# Altium PCB VOU_SOM_CV_V0.0.1.PcbDoc (part 1 of 5) (continued)
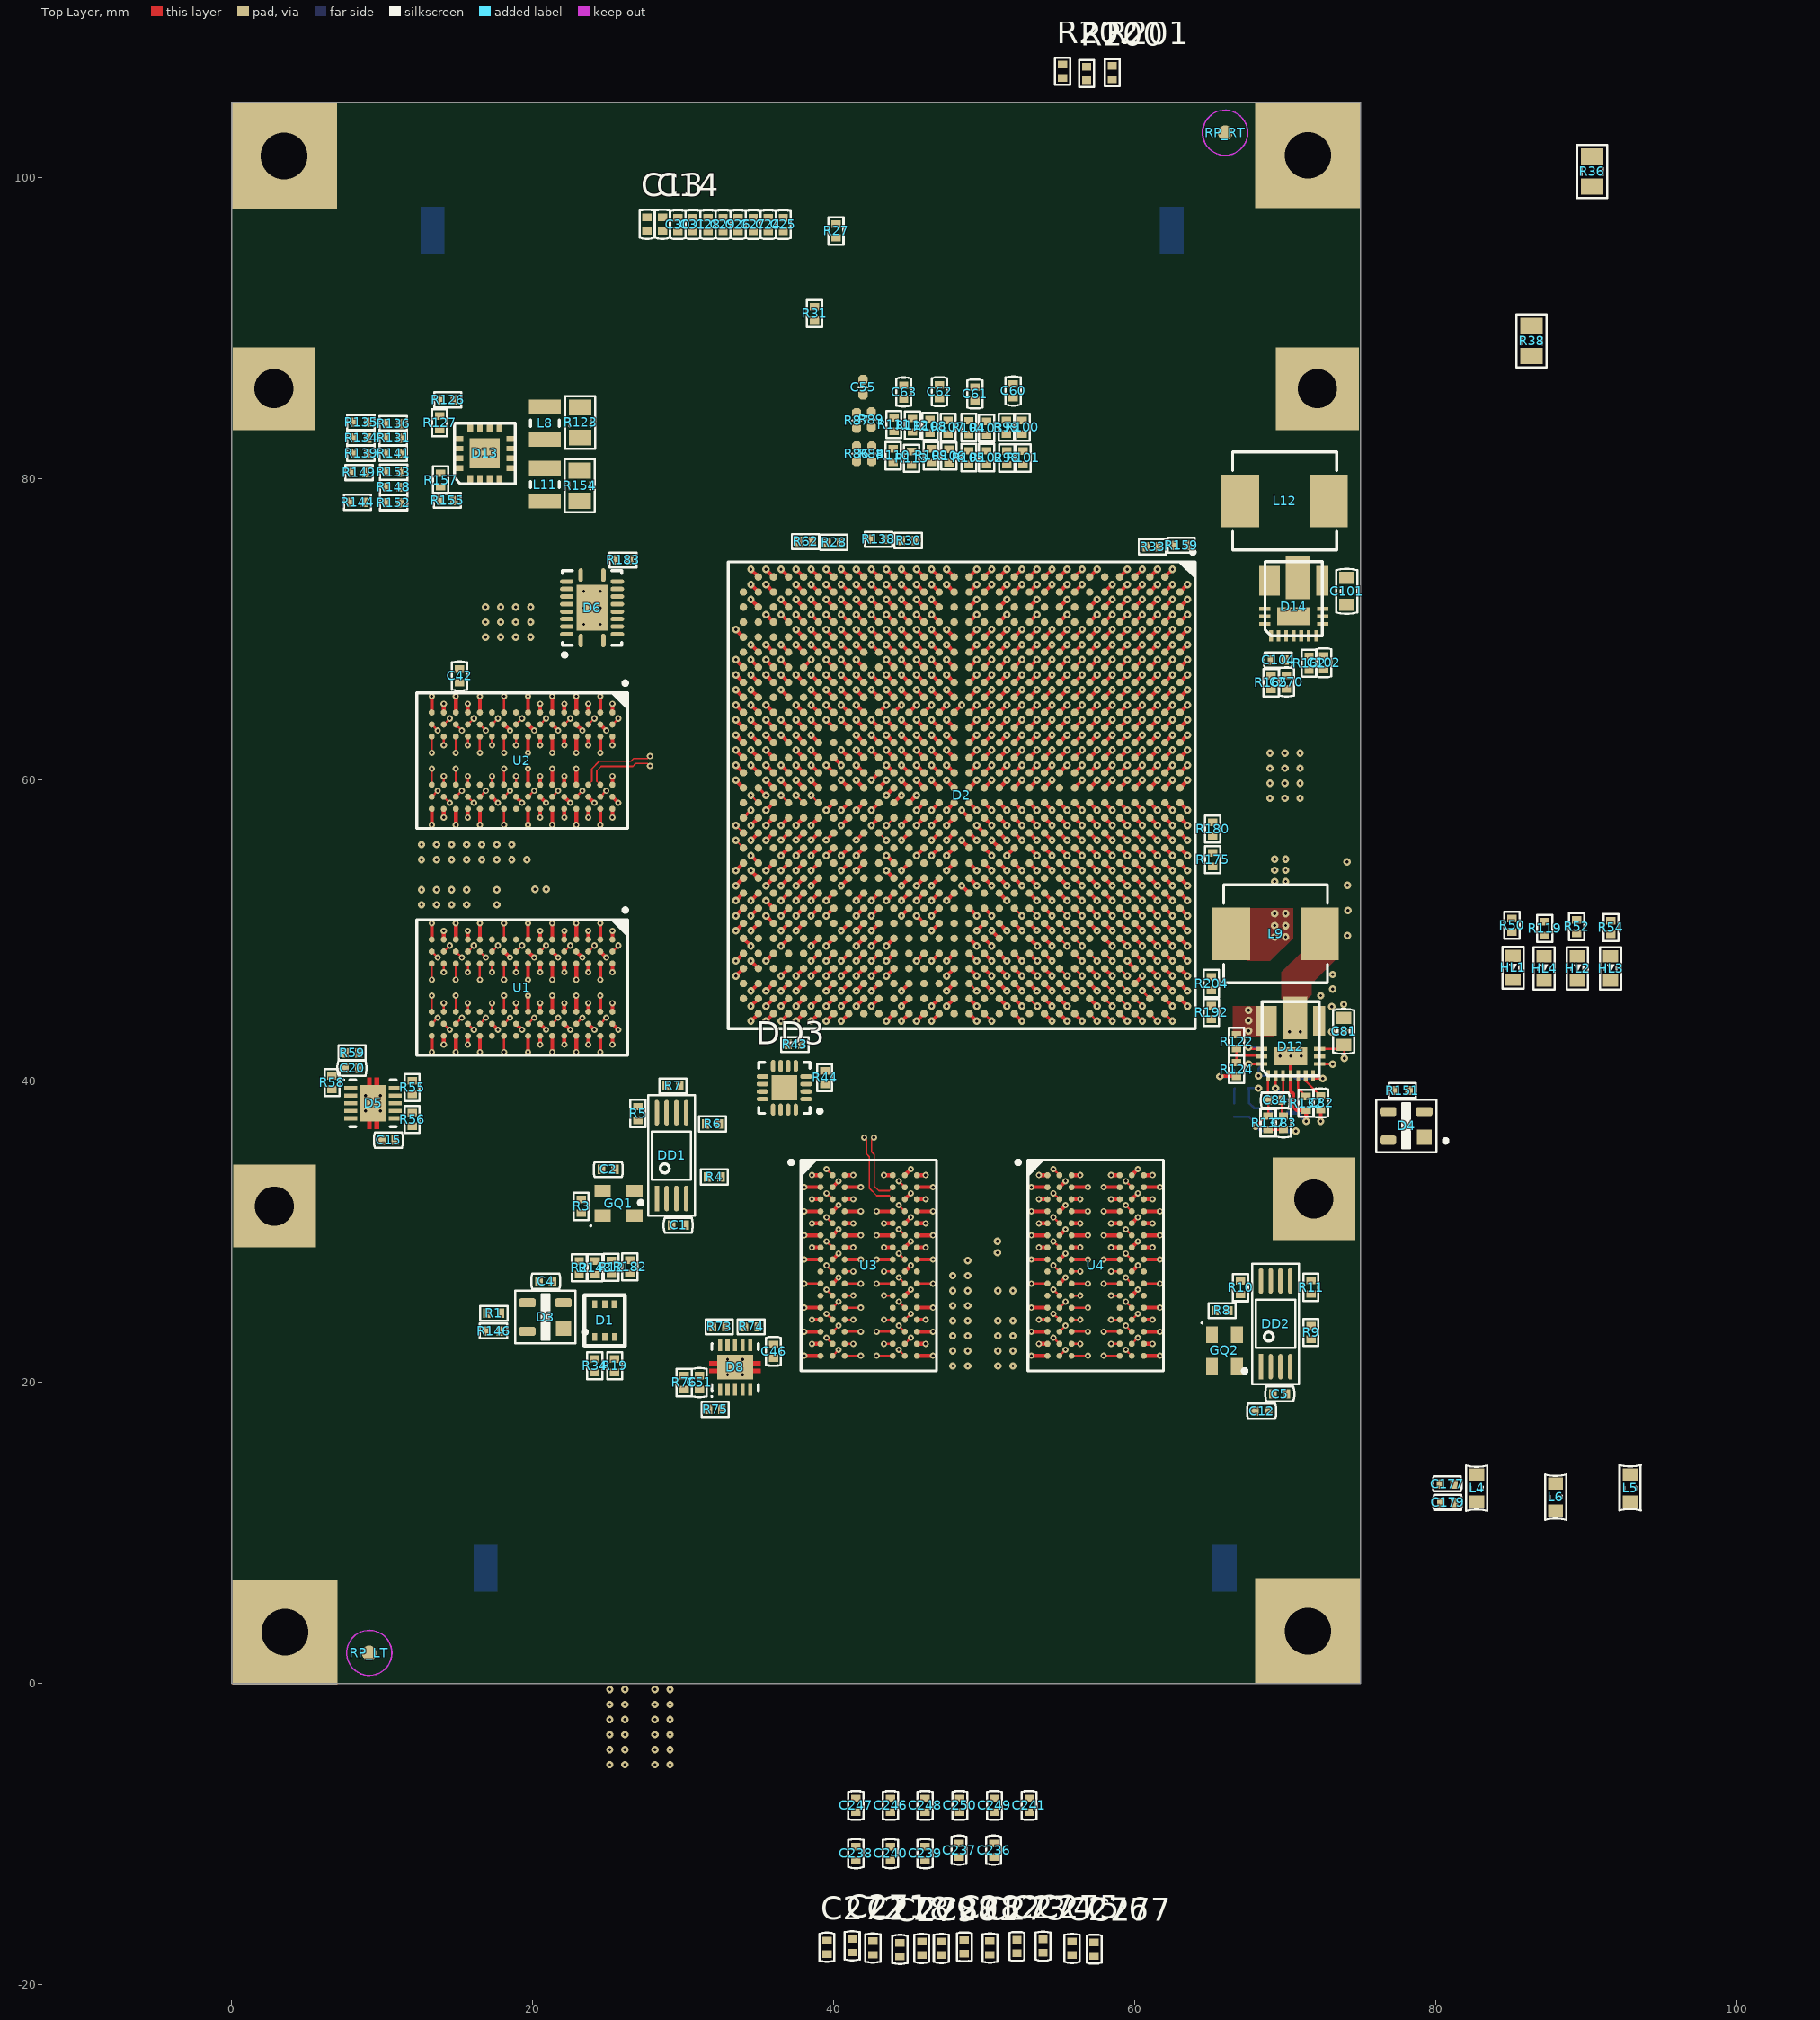
[diagram p0: Top Layer view]
## Components (designator, comment, footprint, x,y, rotation, side; value= is the part's Value field where it differs from the comment) (continued)
C129 "CC0402-X7R-0,01 мкФ-10%-50В" CC0402(1005)_OCT 49,65 r270 bottom
C130 "CC0402-X7R-0,01 мкФ-10%-50В" CC0402(1005)_OCT 51,59 r90 bottom
C131 "CC0402-X7R-0,01 мкФ-10%-50В" CC0402(1005)_OCT 46.5,59.5 r180 bottom
C132 "CC0402-X7R-0,01 мкФ-10%-50В" CC0402(1005)_OCT 49.5,58.5 r180 bottom
C133 "CC0402-X7R-0,01 мкФ-10%-50В" CC0402(1005)_OCT 52,62 r90 bottom
C134 "CC0402-X7R-0,01 мкФ-10%-50В" CC0402(1005)_OCT 52,60 r90 bottom
C135 "CC0402-X7R-0,01 мкФ-10%-50В" CC0402(1005)_OCT 38.5,46.5 r0 bottom
C136 "CC0402-X7R-0,01 мкФ-10%-50В" CC0402(1005)_OCT 45,52 r270 bottom
C137 "CC0402-X7R-0,01 мкФ-10%-50В" CC0402(1005)_OCT 46.5,51.5 r0 bottom
C138 "CC0402-X7R-0,1 мкФ-20%-10В" CC0402(1005)_OCT 57,64 r90 bottom
C139 "CC0402-X7R-0,1 мкФ-20%-10В" CC0402(1005)_OCT 42.5,63.5 r180 bottom
C140 "CC0402-X7R-0,01 мкФ-10%-50В" CC0402(1005)_OCT 41.5,58.5 r0 bottom
C141 "CC0402-X7R-0,01 мкФ-10%-50В" CC0402(1005)_OCT 39,52 r90 bottom
C142 "CC0402-X7R-0,01 мкФ-10%-50В" CC0402(1005)_OCT 54,64 r90 bottom
C143 "CC0402-X7R-0,01 мкФ-10%-50В" CC0402(1005)_OCT 53.5,61.5 r0 bottom
C144 "CC0402-X7R-0,01 мкФ-10%-50В" CC0402(1005)_OCT 35.5,71.5 r0 bottom
C145 "CC0402-X7R-0,01 мкФ-10%-50В" CC0402(1005)_OCT 39.5,67.5 r180 bottom
C146 "CC0402-X7R-0,01 мкФ-10%-50В" CC0402(1005)_OCT 43.5,62.5 r0 bottom
C147 "CC0402-X7R-0,01 мкФ-10%-50В" CC0402(1005)_OCT 49.5,57.5 r0 bottom
C148 "CC0402-X7R-0,01 мкФ-10%-50В" CC0402(1005)_OCT 43,67 r270 bottom
C149 "CC0402-X7R-0,01 мкФ-10%-50В" CC0402(1005)_OCT 53,67 r270 bottom
C150 "CC0402-X7R-0,01 мкФ-10%-50В" CC0402(1005)_OCT 50,66 r270 bottom
C151 "CC0402-X7R-0,01 мкФ-10%-50В" CC0402(1005)_OCT 53.5,62.5 r180 bottom
C152 "CC0402-X7R-0,01 мкФ-10%-50В" CC0402(1005)_OCT 46.5,63.5 r0 bottom
C153 "CC0402-X7R-0,01 мкФ-10%-50В" CC0402(1005)_OCT 52,65 r90 bottom
C154 "CC0402-X7R-0,01 мкФ-10%-50В" CC0402(1005)_OCT 42.5,46.5 r180 bottom
C155 "CC0402-X7R-0,01 мкФ-10%-50В" CC0402(1005)_OCT 52,68 r270 bottom
C156 "CC0402-X7R-0,01 мкФ-10%-50В" CC0402(1005)_OCT 42,67 r270 bottom
C157 "CC0402-X7R-0,01 мкФ-10%-50В" CC0402(1005)_OCT 45,67 r270 bottom
C158 "CC0402-X7R-0,01 мкФ-10%-50В" CC0402(1005)_OCT 50,68 r270 bottom
C159 "CC0402-X7R-0,01 мкФ-10%-50В" CC0402(1005)_OCT 55,66 r270 bottom
C160 "CC0402-X7R-0,1 мкФ-20%-10В" CC0402(1005)_OCT 46,67 r270 bottom
C161 "CC0402-X7R-0,1 мкФ-20%-10В" CC0402(1005)_OCT 54,66 r270 bottom
C162 "CC0603-X5R-22 мкФ-20%-6,3В" CC0603 44.5,49.975 r0 bottom
C163 "CC0603-X5R-22 мкФ-20%-6,3В" CC0603 48.5,67.4 r270 bottom
C164 "CC0402-X7R-0,01 мкФ-10%-50В" CC0402(1005)_OCT 62.5,68.5 r0 bottom
C165 "CC0402-X7R-0,01 мкФ-10%-50В" CC0402(1005)_OCT 62.5,64.5 r180 bottom
C166 "CC0402-X7R-0,1 мкФ-20%-10В" CC0402(1005)_OCT 56,63 r270 bottom
C167 "CC0402-X7R-0,01 мкФ-10%-50В" CC0402(1005)_OCT 34.5,59.5 r180 bottom
C168 "CC0402-X7R-4700 пФ-10%-50В" CC0402(1005)_OCT 45.5,56.5 r180 bottom
C169 "CC0402-X7R-4700 пФ-10%-50В" CC0402(1005)_OCT 51.5,55.5 r0 bottom
C170 "CC0402-X7R-4700 пФ-10%-50В" CC0402(1005)_OCT 53.5,57.5 r0 bottom
C171 "CC0402-X7R-4700 пФ-10%-50В" CC0402(1005)_OCT 51,57 r90 bottom
C172 "CC0402-X7R-4700 пФ-10%-50В" CC0402(1005)_OCT 45.5,53.5 r180 bottom
C173 "CC0402-X7R-4700 пФ-10%-50В" CC0402(1005)_OCT 46.5,57.5 r180 bottom
C174 "CC0402-X7R-4700 пФ-10%-50В" CC0402(1005)_OCT 45.5,62.5 r0 bottom
C175 "CC0402-X7R-0,01 мкФ-10%-50В" CC0402(1005)_OCT 42.5,61.5 r0 bottom
C176 "CC0402-X7R-0,1 мкФ-20%-10В" CC0402(1005)_OCT 56,52 r90 bottom
C177 "CC0402-X7R-0,1 мкФ-20%-10В" CC0402(1005) 80.75,13.275 r0 top
C178 "CC0402-X7R-0,01 мкФ-10%-50В" CC0402(1005)_OCT 55,52 r90 bottom
C179 "CC0402-X7R-0,01 мкФ-10%-50В" CC0402(1005) 80.775,12.05 r0 top
C180 "CC0402-X7R-4700 пФ-10%-50В" CC0402(1005)_OCT 48,56 r90 bottom
C181 "CC0402-X7R-4700 пФ-10%-50В" CC0402(1005)_OCT 47.5,62.5 r0 bottom
C182 "CC0402-X7R-4700 пФ-10%-50В" CC0402(1005)_OCT 46.5,58.5 r0 bottom
C183 "CC0402-X7R-4700 пФ-10%-50В" CC0402(1005)_OCT 44.525,59.5 r180 bottom
C184 "CC0402-X7R-4700 пФ-10%-50В" CC0402(1005)_OCT 51,61 r90 bottom
C185 "CC0402-X7R-4700 пФ-10%-50В" CC0402(1005)_OCT 46,65 r90 bottom
C186 "CC0402-X7R-4700 пФ-10%-50В" CC0402(1005)_OCT 51,65 r90 bottom
C187 "CC0402-X7R-4700 пФ-10%-50В" CC0402(1005)_OCT 51,63 r90 bottom
C188 "CC0402-X7R-0,01 мкФ-10%-50В" CC0402(1005)_OCT 56,66 r90 bottom
C189 "CC0402-X7R-0.047 мкФ-10%-50В" CC0402(1005)_OCT 52.5,56.5 r180 bottom
C190 "CC0402-X7R-0.047 мкФ-10%-50В" CC0402(1005)_OCT 48,58 r90 bottom
C191 "CC0402-X7R-0.047 мкФ-10%-50В" CC0402(1005)_OCT 47,65 r90 bottom
C192 "CC0402-X7R-0.047 мкФ-10%-50В" CC0402(1005)_OCT 49,62 r90 bottom
C193 "CC0402-X7R-0.047 мкФ-10%-50В" CC0402(1005)_OCT 43.5,60.5 r180 bottom
C194 "CC0402-X7R-0,01 мкФ-10%-50В" CC0402(1005)_OCT 55.5,48.5 r0 bottom
C195 "CC0402-X7R-0,01 мкФ-10%-50В" CC0402(1005)_OCT 61,47 r270 bottom
C196 "CC0402-X7R-0,01 мкФ-10%-50В" CC0402(1005)_OCT 54.5,46.5 r180 bottom
C197 "CC0402-X7R-0,1 мкФ-20%-10В" CC0402(1005)_OCT 58.5,44.5 r180 bottom
C198 "CC0402-X7R-0,1 мкФ-20%-10В" CC0402(1005)_OCT 52.5,53.5 r180 bottom
C199 "CC0402-X5R-10 мкФ-20%-6.3В" CC0402(1005)_OCT 47,56 r90 bottom
C200 "CC0402-X5R-10 мкФ-20%-6.3В" CC0402(1005)_OCT 52.5,63.5 r180 bottom
C201 "CC0402-X5R-10 мкФ-20%-6.3В" CC0402(1005)_OCT 45,64 r90 bottom
C202 "CC0805-X5R-100 мкФ-20%-4В" CC0805 95.58,19.742 r90 bottom
C203 "CC0805-X5R-100 мкФ-20%-4В" CC0805 92.175,19.5 r90 bottom
C204 "CC0805-X5R-100 мкФ-20%-4В" CC0805 101.7,20.4 r90 bottom
C205 "CC0805-X5R-100 мкФ-20%-4В" CC0805 98.688,19.742 r90 bottom
C206 "CC0402-X7R-0,01 мкФ-10%-50В" CC0402(1005)_OCT 50,54 r270 bottom
C207 "CC0402-X7R-0,01 мкФ-10%-50В" CC0402(1005)_OCT 52.5,52.5 r180 bottom
C208 "CC0402-X7R-0,01 мкФ-10%-50В" CC0402(1005)_OCT 55.5,55.5 r180 bottom
C209 "CC0402-X7R-0,01 мкФ-10%-50В" CC0402(1005)_OCT 55,57 r90 bottom
C210 "CC0402-X7R-0,1 мкФ-20%-10В" CC0402(1005)_OCT 51.5,54.5 r180 bottom
C211 "CC0402-X7R-0,1 мкФ-20%-10В" CC0402(1005)_OCT 45.5,60.5 r180 bottom
C212 "CC0402-X7R-0,1 мкФ-20%-10В" CC0402(1005)_OCT 51.5,66.5 r0 bottom
C213 "CC0402-X7R-0,22 мкФ-10%-6.3В" CC0402(1005)_OCT 53.5,60.5 r180 bottom
C214 "CC0402-X7R-0,22 мкФ-10%-6.3В" CC0402(1005)_OCT 50,60 r90 bottom
C215 "CC0402-X7R-0,47 мкФ-10%-6.3В" CC0402(1005)_OCT 47.5,60.5 r180 bottom
C216 "CC0402-X5R-1 мкФ-10%-6.3В" CC0402(1005)_OCT 45.5,55.5 r0 bottom
C217 "CC0402-X7R-0,01 мкФ-10%-50В" CC0402(1005)_OCT 58.5,52.5 r180 bottom
C218 "CC0402-X7R-0,01 мкФ-10%-50В" CC0402(1005)_OCT 57.5,55.5 r0 bottom
C219 "CC0402-X7R-0,01 мкФ-10%-50В" CC0402(1005)_OCT 61.5,55.5 r180 bottom
C220 "CC0402-X7R-0,01 мкФ-10%-50В" CC0402(1005) -0.525,44.671 r90 bottom
C221 "CC0402-X7R-0,01 мкФ-10%-50В" CC0402(1005) 1.775,44.671 r90 bottom
C222 "CC0402-X7R-0,01 мкФ-10%-50В" CC0402(1005) -2.825,44.671 r90 bottom
C223 "CC0402-X7R-0,1 мкФ-20%-10В" CC0402(1005) -7.425,44.671 r90 bottom
C224 "CC0402-X7R-0,1 мкФ-20%-10В" CC0402(1005) -5.125,44.671 r90 bottom
C225 "CC0402-X7R-0,1 мкФ-20%-10В" CC0402(1005) -9.725,47.871 r90 bottom
C226 "CC0402-X7R-0,01 мкФ-10%-50В" CC0402(1005)_OCT 60.5,59.5 r180 bottom
C227 "CC0402-X7R-4700 пФ-10%-50В" CC0402(1005) -0.525,47.871 r90 bottom
C228 "CC0402-X7R-4700 пФ-10%-50В" CC0402(1005) 1.775,47.871 r90 bottom
C229 "CC0402-X7R-0,22 мкФ-10%-6.3В" CC0402(1005) -2.825,47.871 r90 bottom
C230 "CC0402-X7R-0,22 мкФ-10%-6.3В" CC0402(1005) -7.425,47.871 r90 bottom
C231 "CC0402-X7R-0,47 мкФ-10%-6.3В" CC0402(1005) -5.125,47.871 r90 bottom
C232 "CC0402-X7R-0,1 мкФ-20%-10В" CC0402(1005)_OCT 54,52 r90 bottom
C233 "CC0402-X7R-0,1 мкФ-20%-10В" CC0402(1005)_OCT 95.375,12.825 r270 bottom
C234 "CC0402-X7R-0,01 мкФ-10%-50В" CC0402(1005)_OCT 54,54 r270 bottom
C235 "CC0402-X7R-0,01 мкФ-10%-50В" CC0402(1005)_OCT 94.309,12.882 r270 bottom
C236 "CC0402-X7R-0,01 мкФ-10%-50В" CC0402(1005) 50.625,-11.054 r90 top
C237 "CC0402-X7R-0,01 мкФ-10%-50В" CC0402(1005) 48.325,-11.054 r90 top
C238 "CC0402-X7R-0,01 мкФ-10%-50В" CC0402(1005) 41.475,-11.279 r90 top
C239 "CC0402-X7R-0,1 мкФ-20%-10В" CC0402(1005) 46.075,-11.279 r90 top
C240 "CC0402-X7R-0,1 мкФ-20%-10В" CC0402(1005) 43.775,-11.279 r90 top
C241 "CC0402-X7R-0,1 мкФ-20%-10В" CC0402(1005) 52.975,-8.079 r90 top
C242 "CC0402-X7R-0,1 мкФ-20%-10В" CC0402(1005)_OCT 57,50 r90 bottom
C243 "CC0402-X7R-0,1 мкФ-20%-10В" CC0402(1005)_OCT 55.5,53.5 r0 bottom
C244 "CC0402-X7R-0,01 мкФ-10%-50В" CC0402(1005)_OCT 58,50 r90 bottom
C245 "CC0402-X7R-0,01 мкФ-10%-50В" CC0402(1005)_OCT 55.5,54.5 r0 bottom
C246 "CC0402-X7R-4700 пФ-10%-50В" CC0402(1005) 43.775,-8.079 r90 top
C247 "CC0402-X7R-4700 пФ-10%-50В" CC0402(1005) 41.475,-8.079 r90 top
C248 "CC0402-X7R-0,22 мкФ-10%-6.3В" CC0402(1005) 46.075,-8.079 r90 top
C249 "CC0402-X7R-0,22 мкФ-10%-6.3В" CC0402(1005) 50.675,-8.079 r90 top
C250 "CC0402-X7R-0,47 мкФ-10%-6.3В" CC0402(1005) 48.375,-8.079 r90 top
C251 "CC0402-X7R-0,1 мкФ-20%-10В" CC0402(1005)_OCT 55.5,64.5 r180 bottom
C252 "CC0402-X7R-0,1 мкФ-20%-10В" CC0402(1005)_OCT 42.5,65.5 r180 bottom
C253 "CC0402-X7R-0,1 мкФ-20%-10В" CC0402(1005)_OCT 42.5,51.5 r180 bottom
C254 "CC0402-X7R-0,22 мкФ-10%-6.3В" CC0402(1005)_OCT 60.5,53.5 r180 bottom
C255 "CC0402-X7R-0,01 мкФ-10%-50В" CC0402(1005)_OCT 54,56 r270 bottom
C256 "CC0402-X7R-0,01 мкФ-10%-50В" CC0402(1005)_OCT 57.5,57.5 r180 bottom
C257 "CC0402-X7R-0,01 мкФ-10%-50В" CC0402(1005)_OCT 56,57 r90 bottom
C258 "CC0402-X7R-0,01 мкФ-10%-50В" CC0402(1005)_OCT 57,52 r90 bottom
C259 "CC0402-X7R-0,1 мкФ-20%-10В" CC0402(1005)_OCT 43.5,64.5 r180 bottom
C260 "CC0402-X7R-0,1 мкФ-20%-10В" CC0402(1005)_OCT 57,69 r270 bottom
C261 "CC0402-X7R-0,1 мкФ-20%-10В" CC0402(1005)_OCT 35.5,44.5 r0 bottom
C262 "CC0402-X7R-0,22 мкФ-10%-6.3В" CC0402(1005)_OCT 57.5,62.5 r0 bottom
C263 "CC0402-X7R-0,01 мкФ-10%-50В" CC0402(1005)_OCT 61.5,71.5 r0 bottom
C264 "CC0402-X7R-0,01 мкФ-10%-50В" CC0402(1005)_OCT 39,54 r270 bottom
C265 "CC0402-X7R-0,01 мкФ-10%-50В" CC0402(1005)_OCT 60,66 r90 bottom
C266 "CC0402-X7R-0,01 мкФ-10%-50В" CC0402(1005)_OCT 60.5,69.5 r180 bottom
C267 "CC0402-X7R-0,1 мкФ-20%-10В" CC0402(1005) 68.5,41.575 r270 bottom
C268 "CC0603-X5R-22 мкФ-20%-6,3В" CC0603 15.594,83.335 r180 bottom
C269 "CC0402-X7R-2200 пФ-10%-16В" CC0402(1005) 70.1,67.525 r270 bottom
C270 "CC0402-X7R-0,01 мкФ-10%-50В" CC0402(1005) 70.075,66.525 r270 top
C271 "CC0402-X5R-10 мкФ-20%-6.3В" CC0402(1005) 41.225,-17.4 r270 top
C272 "CC0402-X5R-10 мкФ-20%-6.3В" CC0402(1005) 39.55,-17.5 r270 top
C273 "CC0402-X5R-10 мкФ-20%-6.3В" CC0402(1005) 50.375,-17.55 r90 top
C274 "CC0402-X7R-0,01 мкФ-10%-50В" CC0402(1005) 52.175,-17.45 r90 top
C275 "CC0402-X7R-0,1 мкФ-20%-10В" CC0402(1005) 53.9,-17.425 r90 top
C276 "CC0402-X7R-0,01 мкФ-10%-50В" CC0402(1005) 55.825,-17.575 r90 top
C277 "CC0402-X7R-0,1 мкФ-20%-10В" CC0402(1005) 57.3,-17.625 r90 top
C278 "CC0402-X5R-10 мкФ-20%-6.3В" CC0402(1005) 42.6,-17.55 r90 top
C279 "CC0402-X7R-0,01 мкФ-10%-50В" CC0402(1005) 44.4,-17.65 r90 top
C280 "CC0402-X7R-0,1 мкФ-20%-10В" CC0402(1005) 45.85,-17.575 r90 top
C281 "CC0402-X7R-0,01 мкФ-10%-50В" CC0402(1005) 47.15,-17.575 r90 top
C282 "CC0402-X7R-0,1 мкФ-20%-10В" CC0402(1005) 48.675,-17.475 r90 top
D1 "SN74LVC2G07DCKR" DCKR 25.45,24.4 r180 top
D2 "5CSXFC6D6F31I7N" ALTR-FBGA896_A-200 48.5,59 r270 top locked
D3 "ADM811TARTZ" SOT-143 20.85,24.35 r180 top
D4 "ADM811TARTZ" SOT-143 78.025,37.05 r180 top
D5 "TPS51200DRCR" TI-DRC10-2400X1650TP_V 9.4,38.55 r0 top
D6 "TXS0108ERGYR" QFN50P450X350X100_HS-21N 23.95,71.45 r90 top
D7 "MT25QL512ABB1EW9-0SIT" SON127P800X80_HS-9N 18.375,70.5 r270 bottom
D8 "TPS51200DRCR" TI-DRC10-2400X1650TP_V 33.45,21.025 r90 top
D9 "MT25QL512ABB1EW9-0SIT" SON127P800X80_HS-9N 69.975,60.3 r180 bottom
D12 "IR3859MTRPBF" IR3859 68.85,40.375 r90 top
D13 "RT8012AGQW" RT8012AGQW 15.85,80.075 r90 top
D14 "IR3859MTRPBF" IR3859 69.05,69.6 r90 top
DD1 "CDCLVC1104PWR" TSSOP-8 29.225,35.075 r90 top
DD2 "CDCLVC1104PWR" TSSOP-8 69.35,23.9 r90 top
DD3 "CDCLVD2102RGTT" QFN50P300X300X100_HS-17N 36.725,39.575 r180 top
GQ1 "ASEMB-50.000MHZ-XY-T" DFN210P320X100-4N 25.7,31.9 r0 top
GQ2 "ASEMB-25.000MHZ-XY-T" DFN210P320X100-4N 65.95,22.125 r270 top
HL1 "KPT-1608SURC" LED0603_RED 85.125,47.55 r270 top
HL2 "KPT-1608SYC" LED0603_YELLOW 89.397,47.508 r270 top
HL3 "KPT-1608ZGC" LED0603_GREEN 91.605,47.508 r270 top
HL4 "KPT-1608ZGC" LED0603_GREEN 87.189,47.508 r270 top
L1 "MH1608-600Y" CL0805 87.175,20 r90 bottom
L2 "MH1608-600Y" CL0805 84.5,20.075 r90 bottom
L3 "BLM18PG-60 Ом" CL0603 55.9,59 r0 bottom
L4 "BLM18PG-60 Ом" CL0603 82.71,12.992 r90 top
L5 "BLM18PG-60 Ом" CL0603 92.9,13 r270 top
L6 "BLM18PG-60 Ом" CL0603 87.95,12.4 r90 top
L8 "IHHP1008AZER1R5M01" INDC2720X12L 20.819,83.71 r90 top
L9 "IHLP2525CZERR68M01" IHPL2525 69.35,49.8 r180 top
L11 "IHHP1008AZER1R5M01" INDC2720X12L 20.819,79.635 r270 top
L12 "IHLP2525CZERR33M01" IHPL2525 69.95,78.55 r180 top
L13 "BLM18PG-60 Ом" CL0603 48.5,70.45 r90 bottom
R1 "CR0402-10 кОм-±5%" CR0402(1005) 17.425,24.6 r0 top
R2 "CR0402-10 кОм-±5%" CR0402(1005) 23.1,27.625 r270 top
R3 "CR0402-4.7 кОм-±5%" CR0402(1005) 23.225,31.7 r270 top
R4 "CR0402-22 Ом-±5%" CR0402(1005) 32.075,33.65 r0 top
R5 "CR0402-22 Ом-±5%" CR0402(1005) 27,37.875 r90 top
R6 "CR0402-22 Ом-±5%" CR0402(1005) 31.95,37.175 r0 top
R7 "CR0402-22 Ом-±5%" CR0402(1005) 29.325,39.7 r0 top
R8 "CR0402-4.7 кОм-±5%" CR0402(1005) 65.8,24.775 r180 top
R9 "CR0402-22 Ом-±5%" CR0402(1005) 71.7,23.325 r90 top
R10 "CR0402-22 Ом-±5%" CR0402(1005) 67.025,26.3 r270 top
R11 "CR0402-22 Ом-±5%" CR0402(1005) 71.7,26.325 r270 top
R12 "CR0402-0 Ом-±5%" CR0402(1005) 25.225,27.65 r90 top
R13 "CR0402-10 кОм-±5%" CR0402(1005) 76.992,36.097 r180 bottom
R14 "YC248-JR-07-22 Ом" YC248 35.02,1.72 r0 bottom
R15 "YC248-JR-07-22 Ом" YC248 51.67,1.72 r0 bottom
R16 "YC248-JR-07-22 Ом" YC248 34.92,13.245 r180 bottom
R17 "YC248-JR-07-22 Ом" YC248 56.17,1.795 r0 bottom
R18 "CR0402-10 кОм-±5%" CR0402(1005) 76.992,38.097 r0 bottom
R19 "CR0402-0 Ом-±5%" CR0402(1005) 25.45,21.125 r270 top
R20 "YC248-JR-07-22 Ом" YC248 41.15,91.275 r180 bottom
R21 "YC248-JR-07-22 Ом" YC248 41,102.275 r180 bottom
R22 "YC248-JR-07-VALUE" YC248 39.645,1.72 r0 bottom
R23 "YC248-JR-07-22 Ом" YC248 53.47,13.495 r180 bottom
R24 "YC248-JR-07-22 Ом" YC248 59.395,13.745 r180 bottom
R25 "YC248-JR-07-22 Ом" YC248 60.87,1.87 r0 bottom
R26 "YC248-JR-07-22 Ом" YC248 45.85,91.175 r0 bottom
R27 "CR0402-22 Ом-±5%" CR0402(1005) 40.15,96.475 r90 top
R28 "CR0402-0 Ом-±5%" CR0402(1005) 40,75.8 r0 top
R29 "YC248-JR-07-22 Ом" YC248 46.2,102.275 r180 bottom
R30 "CR0402-0 Ом-±5%" CR0402(1005) 44.95,75.925 r180 top
R31 "CR0402-22 Ом-±5%" CR0402(1005) 38.725,91 r270 top
R32 "CR0402-0 Ом-±5%" CR0402(1005)_OCT 51,68 r270 bottom
R33 "CR0402-0 Ом-±5%" CR0402(1005) 61.175,75.5 r0 top
R34 "CR0402-0 Ом-±5%" CR0402(1005) 24.125,21.125 r270 top
R35 "CR0402-10 кОм-±5%" CR0402(1005)_OCT 37.5,71.5 r0 bottom
R36 "CR0805-0 Ом-±5%" CR0805 90.375,100.425 r90 top
R37 "CR0402-10 кОм-±5%" CR0402(1005)_OCT 37.5,70.5 r0 bottom
R38 "CR0805-0 Ом-±5%" CR0805 86.35,89.175 r90 top
R39 "CR0402-10 кОм-±5%" CR0402(1005)_OCT 37.5,67.5 r180 bottom
R40 "YC248-JR-07-51 Ом" YC248 10.125,58.475 r270 bottom
R41 "YC248-JR-07-51 Ом" YC248 10.175,49.625 r270 bottom
R42 "YC248-JR-07-51 Ом" YC248 10.125,54.075 r270 bottom
R43 "CR0402-22 Ом-±5%" CR0402(1005) 37.425,42.45 r180 top
R44 "CR0402-22 Ом-±5%" CR0402(1005) 39.4,40.25 r270 top
R45 "CR0402-4.7 кОм-±5%" CR0402(1005) 39.25,39.775 r270 bottom
R47 "CR0402-240 Ом-±TOLERANCE" CR0402(1005) -2.05,38.375 r270 bottom
R48 "CR0402-240 Ом-±TOLERANCE" CR0402(1005) -1.025,60.925 r270 bottom
R49 "CR0402-2 кОм-±5%" CR0402(1005) -0.9,64.3 r270 bottom
R50 "CR0402-240 Ом-±5%" CR0402(1005) 85.05,50.375 r90 top
R51 "CR0402-10 кОм-±5%" CR0402(1005)_OCT 36.5,45.475 r180 bottom
R52 "CR0402-240 Ом-±5%" CR0402(1005) 89.35,50.275 r90 top
R53 "CR0402-100 Ом-±TOLERANCE" CR0402(1005) -0.175,38.275 r90 bottom
R54 "CR0402-240 Ом-±5%" CR0402(1005) 91.625,50.225 r90 top
R55 "CR0402-100 кОм-±5%" CR0402(1005) 12,39.6 r270 top
R56 "CR0402-10 кОм-±5%" CR0402(1005) 12,37.475 r90 top
R57 "CR0402-100 Ом-±TOLERANCE" CC0402(1005)_OCT 37.5,54.5 r0 bottom
R58 "CR0402-10 кОм-±5%" CR0402(1005) 6.675,39.925 r90 top
R59 "CR0402-10 кОм-±5%" CR0402(1005) 8,41.9 r180 top
R62 "CR0402-0 Ом-±5%" CR0402(1005) 38.125,75.85 r0 top
R63 "CR0402-10 кОм-±5%" CR0402(1005)_OCT 57,54 r90 bottom
R64 "YC248-JR-07-51 Ом" YC248 53.675,18.85 r0 bottom
R65 "YC248-JR-07-51 Ом" YC248 44.775,18.85 r0 bottom
R66 "YC248-JR-07-51 Ом" YC248 49.225,18.875 r0 bottom
R67 "CR0402-100 Ом-±TOLERANCE" CR0402(1005) 34.375,30.825 r90 bottom
R68 "CR0402-240 Ом-±TOLERANCE" CR0402(1005) 34.95,32.65 r180 bottom
R69 "CR0402-100 Ом-±TOLERANCE" CR0402(1005)_OCT 60,47 r270 bottom
R70 "CR0402-240 Ом-±TOLERANCE" CR0402(1005) 64.475,29.8 r270 bottom
R71 "CR0402-2 кОм-±5%" CR0402(1005) 34.5,29.075 r0 bottom
R72 "CR0402-4.7 кОм-±5%" CR0402(1005) 67.825,33.125 r270 bottom
R73 "CR0402-100 кОм-±5%" CR0402(1005) 32.4,23.7 r0 top
R74 "CR0402-10 кОм-±5%" CR0402(1005) 34.525,23.7 r180 top
R75 "CR0402-10 кОм-±5%" CR0402(1005) 32.125,18.225 r180 top
R76 "CR0402-10 кОм-±5%" CR0402(1005) 30.075,20 r270 top
R77 "CR0402-4.7 кОм-±5%" CR0402(1005)_OCT 59,51 r270 bottom
R78 "CR0402-100 Ом-±5%" CR0402(1005)_OCT 62.636,81.167 r90 bottom
R79 "CR0402-200 Ом-±5%" CR0402(1005)_OCT 62.625,83.175 r90 bottom
R80 "CR0402-100 Ом-±5%" CR0402(1005)_OCT 61.475,81.15 r90 bottom
R81 "CR0402-200 Ом-±5%" CR0402(1005)_OCT 61.475,83.225 r270 bottom
R82 "CR0402-100 Ом-±5%" CR0402(1005)_OCT 58.875,81.35 r90 bottom
R83 "CR0402-200 Ом-±5%" CR0402(1005)_OCT 58.875,83.2 r90 bottom
R84 "CR0402-100 Ом-±5%" CR0402(1005)_OCT 59.975,81.35 r90 bottom
R85 "CR0402-200 Ом-±5%" CR0402(1005)_OCT 59.95,83.175 r270 bottom
R86 "CR0402-100 Ом-±5%" CR0402(1005)_OCT 41.525,81.675 r90 top
R87 "CR0402-200 Ом-±5%" CR0402(1005)_OCT 41.525,83.9 r90 top
R88 "CR0402-100 Ом-±5%" CR0402(1005)_OCT 42.525,81.675 r90 top
R89 "CR0402-200 Ом-±5%" CR0402(1005)_OCT 42.5,83.95 r270 top
R90 "CR0402-100 Ом-±5%" CR0402(1005)_OCT 55,81.475 r90 bottom
R91 "CR0402-200 Ом-±5%" CR0402(1005)_OCT 55,83.275 r90 bottom
R92 "CR0402-100 Ом-±5%" CR0402(1005)_OCT 53.85,81.475 r90 bottom
R93 "CR0402-200 Ом-±5%" CR0402(1005)_OCT 53.85,83.275 r270 bottom
R94 "CR0402-100 Ом-±5%" CR0402(1005)_OCT 57.55,81.5 r90 bottom
R95 "CR0402-200 Ом-±5%" CR0402(1005)_OCT 57.5,83.375 r90 bottom
R96 "CR0402-100 Ом-±5%" CR0402(1005)_OCT 56.35,81.35 r90 bottom
R97 "CR0402-200 Ом-±5%" CR0402(1005)_OCT 56.3,83.275 r270 bottom
R98 "CR0402-100 Ом-±5%" CR0402(1005) 51.5,81.4 r90 top
R99 "CR0402-200 Ом-±5%" CR0402(1005) 51.475,83.45 r90 top
R100 "CR0402-200 Ом-±5%" CR0402(1005) 52.525,83.45 r270 top
R101 "CR0402-100 Ом-±5%" CR0402(1005) 52.575,81.4 r90 top
R102 "CR0402-100 Ом-±5%" CR0402(1005) 50.15,81.425 r90 top
R103 "CR0402-200 Ом-±5%" CR0402(1005) 50.15,83.375 r90 top
R104 "CR0402-200 Ом-±5%" CR0402(1005) 48.975,83.425 r270 top
R105 "CR0402-100 Ом-±5%" CR0402(1005) 48.975,81.425 r90 top
R106 "CR0402-100 Ом-±5%" CR0402(1005) 47.65,81.525 r90 top
R107 "CR0402-200 Ом-±5%" CR0402(1005) 47.6,83.45 r90 top
R108 "CR0402-200 Ом-±5%" CR0402(1005) 46.4,83.5 r270 top
R109 "CR0402-100 Ом-±5%" CR0402(1005) 46.475,81.55 r90 top
R110 "CR0402-100 Ом-±5%" CR0402(1005) 43.95,81.55 r90 top
R111 "CR0402-200 Ом-±5%" CR0402(1005) 44,83.625 r90 top
R112 "CR0402-200 Ом-±5%" CR0402(1005) 45.225,83.575 r270 top
R113 "CR0402-100 Ом-±5%" CR0402(1005) 45.175,81.375 r90 top
R114 "CR0402-100 Ом-±5%" CR0402(1005) 64.1,81.1 r90 bottom
R115 "CR0402-200 Ом-±5%" CR0402(1005) 64.15,83.175 r90 bottom
R116 "CR0402-200 Ом-±5%" CR0402(1005) 65.45,83.225 r270 bottom
R117 "CR0402-100 Ом-±5%" CR0402(1005) 65.325,81 r90 bottom
R118 "CR0402-10 кОм-±5%" CR0402(1005)_OCT 40.5,49.5 r180 bottom
R119 "CR0402-240 Ом-±5%" CR0402(1005) 87.225,50.15 r90 top
R120 "CR0402-10 кОм-±5%" CR0402(1005)_OCT 59.5,70.5 r0 bottom
R121 "CR0805-0 Ом-±5%" CR0805 66.15,51.25 r90 bottom
R122 "CR0402-45.3 кОм-±1%" CR0402(1005) 66.75,42.65 r270 top
R123 "CR0805-0 Ом-±5%" CR0805 23.169,83.76 r270 top
R124 "CR0402-7.15 кОм-±1%" CR0402(1005) 66.75,40.8 r90 top
R125 "CR0805-0 Ом-±5%" CR0805 68.1,51.25 r90 bottom
R126 "CR0402-45.3 кОм-±1%" CR0402(1005) 14.369,85.26 r0 top
R127 "CR0402-21.0 кОм-±1%" CR0402(1005) 13.819,83.735 r90 top
R128 "CR0402-45.3 кОм-±1%" CR0402(1005) 69.1,38.375 r270 bottom
R129 "CR0402-3.16 кОм-±1%" CR0402(1005) 70.025,40.375 r0 bottom
R130 "CR0402-45.3 кОм-±1%" CR0402(1005) 67.6,38.1 r90 bottom
R131 "CR0402-10 кОм-±5%" CR0402(1005) 10.744,82.735 r0 top
R132 "CR0402-14.3кОм-±1%" CR0402(1005) 71.375,38.55 r270 top
R133 "CR0402-130 Ом-±1%" CR0402(1005) 66.6,38.1 r270 bottom
R134 "CR0402-0 Ом-±5%" CR0402(1005) 8.594,82.735 r0 top
R135 "CR0402-0 Ом-±5%" CR0402(1005) 8.594,83.76 r180 top
R136 "CR0402-0 Ом-±5%" CR0402(1005) 10.744,83.685 r0 top
R137 "CR0402-1.65 кОм-±1%" CR0402(1005) 68.85,37.25 r270 top
R138 "CR0402-0 Ом-±5%" CR0402(1005) 42.975,76 r180 top
R139 "CR0402-0 Ом-±5%" CR0402(1005) 8.594,81.71 r0 top
R140 "CR0402-12.1 кОм-±1%" CR0402(1005) 69.5,36.7 r180 bottom
R141 "CR0402-0 Ом-±5%" CR0402(1005) 10.744,81.71 r0 top
R142 "CR0402-10 кОм-±1%" CR0402(1005) 70.15,38.375 r90 bottom
R143 "CR0402-0 Ом-±5%" CR0402(1005) 24.15,27.625 r90 top
R144 "CR0402-22 Ом-±5%" CR0402(1005) 8.378,78.451 r180 top
R145 "CR0402-3.16 кОм-±1%" CR0402(1005) 70.225,69.6 r0 bottom
R146 "CR0402-0 Ом-±5%" CR0402(1005) 17.4,23.425 r0 top
R147 "CR0402-0 Ом-±5%" CR0402(1005) 76.992,35.097 r180 bottom
R148 "CR0402-10 кОм-±5%" CR0402(1005) 10.769,79.46 r0 top
R149 "CR0402-0 Ом-±5%" CR0402(1005) 8.469,80.435 r0 top
R150 "CR0402-0 Ом-±5%" CR0402(1005) 72.025,42.225 r270 bottom
R151 "CR0402-0 Ом-±5%" CR0402(1005) 77.767,39.397 r180 top
R152 "CR0402-0 Ом-±5%" CR0402(1005) 10.769,78.435 r180 top
R153 "CR0402-0 Ом-±5%" CR0402(1005) 10.769,80.46 r180 top
R154 "CR0805-0 Ом-±5%" CR0805 23.119,79.56 r90 top
R155 "CR0402-45.3 кОм-±1%" CR0402(1005) 14.344,78.585 r0 top
R156 "CR0805-0 Ом-±5%" CR0805 80.8,73.3 r0 bottom
R157 "CR0402-64.9 кОм-±1%" CR0402(1005) 13.894,79.935 r270 top
R158 "CR0805-0 Ом-±5%" CR0805 80.8,75.425 r0 bottom
R159 "CR0402-2.00 кОм-±1%" CR0402(1005) 63.075,75.6 r180 top
R160 "CR0402-45.3 кОм-±1%" CR0402(1005) 71.3,67.8 r270 bottom
R161 "CR0402-45.3 кОм-±1%" CR0402(1005) 68.675,67 r0 bottom
R162 "CR0402-14.3кОм-±1%" CR0402(1005) 71.575,67.775 r270 top
R164 "CR0402-130 Ом-±1%" CR0402(1005) 68.675,68 r180 bottom
R165 "CR0402-1.65 кОм-±1%" CR0402(1005) 69.05,66.475 r270 top
R166 "CR0402-78.7 кОм-±1%" CR0402(1005) 69.7,65.925 r180 bottom
R167 "CR0402-52.3 кОм-±1%" CR0402(1005) 72.3,67.8 r90 bottom
R168 "CR0402-0 Ом-±5%" CR0402(1005) 72.225,71.45 r270 bottom
R174 "CR0402-10 кОм-±5%" CR0402(1005)_OCT 60.5,54.5 r0 bottom
R175 "CR0402-DNP-±5%" CR0402(1005) 65.175,54.725 r90 top
R176 "CR0402-4.7 кОм-±5%" CR0402(1005)_OCT 44.5,65.5 r0 bottom
R177 "CR0402-4.7 кОм-±5%" CR0402(1005)_OCT 47,68 r270 bottom
R178 "CR0402-10 кОм-±5%" CR0402(1005)_OCT 59.5,71.5 r0 bottom
R179 "CR0402-4.7 кОм-±5%" CR0402(1005)_OCT 93.375,65.45 r90 bottom
R180 "CR0402-1 кОм-±5%" CR0402(1005) 65.175,56.75 r90 top